# Altium PCB ROBOT1.PcbDoc (part 2 of 7) (continued)
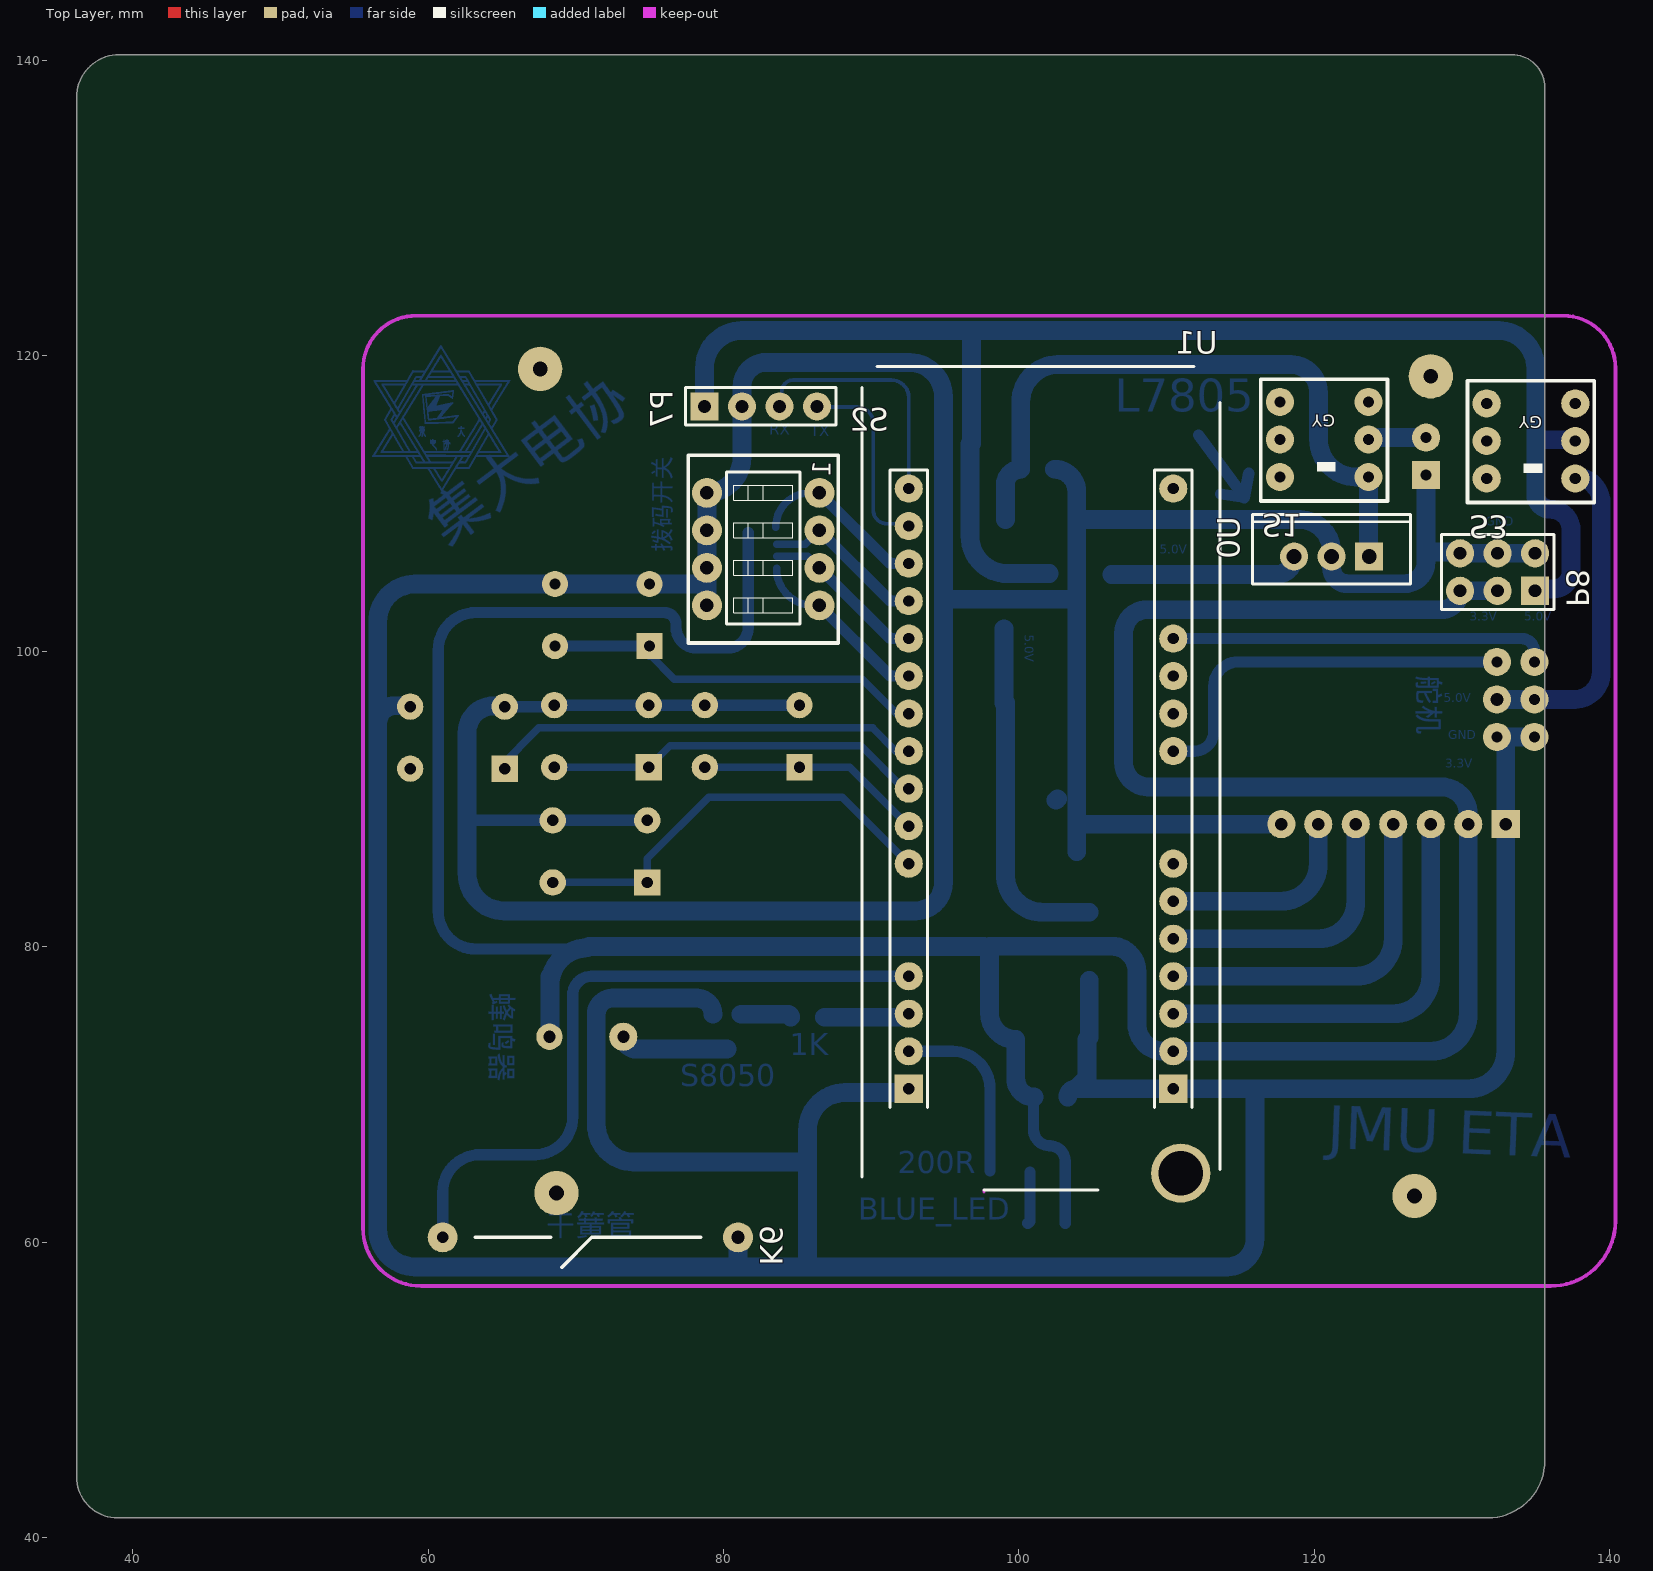
[diagram p0: Top Layer view]
## Nets (pads, with @x,y where several pads share a name; then routed paths per layer and width w, separated by ;. In a path a pad name is that pad's centre, name@x,y a point inside that pad or via, vN(x,y) a via of type N, cw(c..) or ccw(c..) an arc to the next point about the centre after c; other vN are vias at no path point) (continued)
; 57.342,116.214 57.422,116.214 ; 57.342,116.224 57.422,116.224 ; 57.342,116.663 57.432,116.663 ; 57.342,117.302 57.432,117.302 ; 57.352,114.387 57.442,114.387 ; 57.352,114.397 57.442,114.397 ; 57.352,115.016 57.502,115.016 ; 57.352,115.026 57.502,115.026 ; 57.352,115.036 57.492,115.036 ; 57.352,115.145 57.432,115.145 ; 57.352,115.155 57.422,115.155 ; 57.352,116.233 57.432,116.233 ; 57.352,116.243 57.432,116.243 ; 57.352,116.643 57.442,116.643 ; 57.352,116.653 57.442,116.653 ; 57.352,117.282 57.442,117.282 ; 57.352,117.292 57.442,117.292 ; 57.362,114.407 57.452,114.407 ; 57.362,114.417 57.462,114.417 ; 57.362,115.046 57.492,115.046 ; 57.362,115.125 57.442,115.125 ; 57.362,115.135 57.432,115.135 ; 57.362,116.253 57.442,116.253 ; 57.362,116.623 57.462,116.623 ; 57.362,116.633 57.452,116.633 ; 57.362,117.262 57.452,117.262 ; 57.362,117.272 57.452,117.272 ; 57.372,114.427 57.462,114.427 ; 57.372,115.056 57.482,115.056 ; 57.372,115.066 57.482,115.066 ; 57.372,115.115 57.452,115.115 ; 57.372,116.263 57.442,116.263 ; 57.372,116.273 57.452,116.273 ; 57.372,116.603 57.472,116.603 ; 57.372,116.613 57.462,116.613 ; 57.372,117.252 57.462,117.252 ; 57.382,114.437 57.472,114.437 ; 57.382,114.447 57.472,114.447 ; 57.382,115.076 57.472,115.076 ; 57.382,115.086 57.472,115.086 ; 57.382,115.096 57.462,115.096 ; 57.382,115.105 57.452,115.105 ; 57.382,116.283 57.452,116.283 ; 57.382,116.293 57.462,116.293 ; 57.382,116.593 57.472,116.593 ; 57.382,117.242 57.472,117.242 ; 57.392,114.457 57.482,114.457 ; 57.392,114.467 57.492,114.467 ; 57.392,116.303 57.472,116.303 ; 57.392,116.313 57.472,116.313 ; 57.392,116.583 57.482,116.583 ; 57.392,117.222 57.482,117.222 ; 57.392,117.232 57.472,117.232 ; 57.402,114.477 57.492,114.477 ; 57.402,116.323 57.482,116.323 ; 57.402,116.563 57.492,116.563 ; 57.402,116.573 57.492,116.573 ; 57.402,117.202 57.492,117.202 ; 57.402,117.212 57.482,117.212 ; 57.412,114.487 57.502,114.487 ; 57.412,114.497 57.502,114.497 ; 57.412,116.333 57.482,116.333 ; 57.412,116.343 57.492,116.343 ; 57.412,116.543 57.512,116.543 ; 57.412,116.553 57.502,116.553 ; 57.412,117.192 57.502,117.192 ; 57.422,114.507 57.512,114.507 ; 57.422,116.353 57.502,116.353 ; 57.422,116.363 57.502,116.363 ; 57.422,116.533 57.512,116.533 ; 57.422,117.172 57.512,117.172 ; 57.422,117.182 57.502,117.182 ; 57.432,114.517 57.522,114.517 ; 57.432,114.527 57.522,114.527 ; 57.432,116.373 57.611,116.373 ; 57.432,116.513 57.522,116.513 ; 57.432,116.523 57.522,116.523 ; 57.432,117.152 57.522,117.152 ; 57.432,117.162 57.522,117.162 ; 57.442,114.537 57.532,114.537 ; 57.442,114.996 57.522,114.996 ; 57.442,116.383 57.601,116.383 ; 57.442,116.393 57.601,116.393 ; 57.442,116.493 57.542,116.493 ; 57.442,116.503 57.532,116.503 ; 57.442,117.142 57.532,117.142 ; 57.452,114.546 57.542,114.546 ; 57.452,114.556 57.542,114.556 ; 57.452,114.976 57.532,114.976 ; 57.452,114.986 57.522,114.986 ; 57.452,116.403 57.592,116.403 ; 57.452,116.413 57.592,116.413 ; 57.452,116.483 57.542,116.483 ; 57.452,117.122 57.542,117.122 ; 57.452,117.132 57.532,117.132 ; 57.462,114.566 57.552,114.566 ; 57.462,114.966 57.542,114.966 ; 57.462,116.423 57.582,116.423 ; 57.462,116.433 57.572,116.433 ; 57.462,116.473 57.552,116.473 ; 57.462,117.102 57.552,117.102 ; 57.462,117.112 57.542,117.112 ; 57.472,114.576 57.552,114.576 ; 57.472,114.586 57.562,114.586 ; 57.472,114.936 57.552,114.936 ; 57.472,114.946 57.552,114.946 ; 57.472,114.956 57.542,114.956 ; 57.472,116.443 57.572,116.443 ; 57.472,116.453 57.562,116.453 ; 57.472,116.463 57.552,116.463 ; 57.472,117.092 57.562,117.092 ; 57.482,114.596 57.562,114.596 ; 57.482,114.606 57.572,114.606 ; 57.482,114.926 57.562,114.926 ; 57.482,115.684 57.562,115.684 ; 57.482,115.694 57.562,115.694 ; 57.482,115.704 57.562,115.704 ; 57.482,117.072 57.572,117.072 ; 57.482,117.082 57.562,117.082 ; 57.492,114.616 57.582,114.616 ; 57.492,114.626 57.582,114.626 ; 57.492,114.906 57.572,114.906 ; 57.492,114.916 57.562,114.916 ; 57.492,115.674 57.572,115.674 ; 57.492,115.714 57.572,115.714 ; 57.492,117.062 57.582,117.062 ; 57.502,114.636 57.592,114.636 ; 57.502,114.886 57.582,114.886 ; 57.502,114.896 57.582,114.896 ; 57.502,115.655 57.582,115.655 ; 57.502,115.665 57.582,115.665 ; 57.502,115.724 57.582,115.724 ; 57.502,115.734 57.582,115.734 ; 57.502,117.042 57.592,117.042 ; 57.502,117.052 57.582,117.052 ; 57.512,114.646 57.601,114.646 ; 57.512,114.656 57.601,114.656 ; 57.512,114.866 57.592,114.866 ; 57.512,114.876 57.592,114.876 ; 57.512,115.635 57.601,115.635 ; 57.512,115.645 57.592,115.645 ; 57.512,115.744 57.592,115.744 ; 57.512,115.754 57.592,115.754 ; 57.512,117.022 57.601,117.022 ; 57.512,117.032 57.601,117.032 ; 57.522,114.666 57.601,114.666 ; 57.522,114.676 57.701,114.676 ; 57.522,114.856 57.601,114.856 ; 57.522,115.615 57.611,115.615 ; 57.522,115.625 57.601,115.625 ; 57.522,115.764 57.601,115.764 ; 57.522,117.002 57.611,117.002 ; 57.522,117.012 57.601,117.012 ; 57.532,114.686 57.701,114.686 ; 57.532,114.836 57.611,114.836 ; 57.532,114.846 57.601,114.846 ; 57.532,115.605 57.611,115.605 ; 57.532,115.774 57.611,115.774 ; 57.532,115.784 57.611,115.784 ; 57.532,116.363 57.621,116.363 ; 57.532,116.992 57.621,116.992 ; 57.542,114.696 57.691,114.696 ; 57.542,114.706 57.691,114.706 ; 57.542,114.816 57.621,114.816 ; 57.542,114.826 57.621,114.826 ; 57.542,115.585 57.621,115.585 ; 57.542,115.595 57.621,115.595 ; 57.542,115.794 57.621,115.794 ; 57.542,116.343 57.631,116.343 ; 57.542,116.353 57.621,116.353 ; 57.542,116.982 57.621,116.982 ; 57.552,114.716 57.681,114.716 ; 57.552,114.726 57.671,114.726 ; 57.552,114.806 57.631,114.806 ; 57.552,115.565 57.631,115.565 ; 57.552,115.575 57.631,115.575 ; 57.552,115.804 57.621,115.804 ; 57.552,115.814 57.631,115.814 ; 57.552,115.824 57.641,115.824 ; 57.552,116.323 57.641,116.323 ; 57.552,116.333 57.631,116.333 ; 57.552,116.952 57.641,116.952 ; 57.552,116.962 57.641,116.962 ; 57.552,116.972 57.631,116.972 ; 57.562,114.736 57.671,114.736 ; 57.562,114.786 57.641,114.786 ; 57.562,114.796 57.631,114.796 ; 57.562,115.555 57.641,115.555 ; 57.562,115.834 57.641,115.834 ; 57.562,116.303 57.651,116.303 ; 57.562,116.313 57.641,116.313 ; 57.562,116.942 57.651,116.942 ; 57.572,114.746 57.661,114.746 ; 57.572,114.756 57.661,114.756 ; 57.572,114.766 57.651,114.766 ; 57.572,114.776 57.641,114.776 ; 57.572,115.535 57.751,115.535 ; 57.572,115.545 57.641,115.545 ; 57.572,115.844 57.651,115.844 ; 57.572,115.854 57.661,115.854 ; 57.572,116.293 57.661,116.293 ; 57.572,116.932 57.661,116.932 ; 57.582,115.515 57.741,115.515 ; 57.582,115.525 57.751,115.525 ; 57.582,115.864 57.661,115.864 ; 57.582,116.283 57.671,116.283 ; 57.582,116.912 57.671,116.912 ; 57.582,116.922 57.661,116.922 ; 57.592,115.505 57.731,115.505 ; 57.592,115.874 57.671,115.874 ; 57.592,115.884 57.671,115.884 ; 57.592,116.263 57.681,116.263 ; 57.592,116.273 57.671,116.273 ; 57.592,116.892 57.681,116.892 ; 57.592,116.902 57.681,116.902 ; 57.601,113.548 57.661,113.548 ; 57.601,115.485 57.711,115.485 ; 57.601,115.495 57.721,115.495 ; 57.601,115.894 57.681,115.894 ; 57.601,115.904 57.681,115.904 ; 57.601,116.243 57.691,116.243 ; 57.601,116.253 57.681,116.253 ; 57.601,116.882 57.691,116.882 ; 57.611,115.475 57.711,115.475 ; 57.611,115.914 57.691,115.914 ; 57.611,115.924 57.691,115.924 ; 57.611,116.233 57.701,116.233 ; 57.611,116.862 57.791,116.862 ; 57.611,116.872 57.691,116.872 ; 57.621,115.455 57.701,115.455 ; 57.621,115.465 57.701,115.465 ; 57.621,115.934 57.701,115.934 ; 57.621,116.214 57.711,116.214 ; 57.621,116.224 57.701,116.224 ; 57.621,116.842 57.781,116.842 ; 57.621,116.852 57.781,116.852 ; 57.631,114.666 57.711,114.666 ; 57.631,115.435 57.711,115.435 ; 57.631,115.445 57.701,115.445 ; 57.631,115.944 57.711,115.944 ; 57.631,115.954 57.711,115.954 ; 57.631,116.194 57.721,116.194 ; 57.631,116.204 57.711,116.204 ; 57.631,116.832 57.771,116.832 ; 57.641,114.646 57.721,114.646 ; 57.641,114.656 57.711,114.656 ; 57.641,115.415 57.721,115.415 ; 57.641,115.425 57.721,115.425 ; 57.641,115.964 57.721,115.964 ; 57.641,115.974 57.721,115.974 ; 57.641,116.174 57.731,116.174 ; 57.641,116.184 57.721,116.184 ; 57.641,116.812 57.761,116.812 ; 57.641,116.822 57.761,116.822 ; 57.651,114.626 57.731,114.626 ; 57.651,114.636 57.721,114.636 ; 57.651,115.405 57.731,115.405 ; 57.651,115.984 57.731,115.984 ; 57.651,116.164 57.741,116.164 ; 57.651,116.802 57.751,116.802 ; 57.661,114.606 57.741,114.606 ; 57.661,114.616 57.741,114.616 ; 57.661,115.385 57.741,115.385 ; 57.661,115.395 57.731,115.395 ; 57.661,115.994 57.731,115.994 ; 57.661,116.004 57.841,116.004 ; 57.661,116.014 57.841,116.014 ; 57.661,116.154 57.751,116.154 ; 57.661,116.783 57.751,116.783 ; 57.661,116.792 57.751,116.792 ; 57.671,113.548 57.751,113.548 ; 57.671,114.596 57.751,114.596 ; 57.671,115.375 57.741,115.375 ; 57.671,115.545 57.761,115.545 ; 57.671,116.024 57.831,116.024 ; 57.671,116.134 57.761,116.134 ; 57.671,116.144 57.751,116.144 ; 57.671,116.763 57.761,116.763 ; 57.671,116.773 57.761,116.773 ; 57.681,114.576 57.761,114.576 ; 57.681,114.586 57.751,114.586 ; 57.681,115.345 57.761,115.345 ; 57.681,115.355 57.761,115.355 ; 57.681,115.365 57.751,115.365 ; 57.681,115.555 57.761,115.555 ; 57.681,115.565 57.771,115.565 ; 57.681,116.034 57.821,116.034 ; 57.681,116.044 57.821,116.044 ; 57.681,116.114 57.771,116.114 ; 57.681,116.124 57.761,116.124 ; 57.681,116.743 57.771,116.743 ; 57.681,116.753 57.771,116.753 ; 57.691,114.556 57.771,114.556 ; 57.691,114.566 57.761,114.566 ; 57.691,115.335 57.771,115.335 ; 57.691,115.575 57.781,115.575 ; 57.691,116.054 57.811,116.054 ; 57.691,116.094 57.781,116.094 ; 57.691,116.104 57.781,116.104 ; 57.691,116.733 57.781,116.733 ; 57.701,114.546 57.781,114.546 ; 57.701,115.315 57.781,115.315 ; 57.701,115.325 57.771,115.325 ; 57.701,115.585 57.781,115.585 ; 57.701,115.595 57.791,115.595 ; 57.701,116.064 57.801,116.064 ; 57.701,116.074 57.791,116.074 ; 57.701,116.084 57.791,116.084 ; 57.701,116.713 57.791,116.713 ; 57.701,116.723 57.781,116.723 ; 57.711,114.527 57.791,114.527 ; 57.711,114.537 57.781,114.537 ; 57.711,115.305 57.791,115.305 ; 57.711,115.605 57.801,115.605 ; 57.711,115.615 57.801,115.615 ; 57.711,116.703 57.801,116.703 ; 57.721,114.507 57.801,114.507 ; 57.721,114.517 57.791,114.517 ; 57.721,115.275 57.801,115.275 ; 57.721,115.285 57.801,115.285 ; 57.721,115.295 57.791,115.295 ; 57.721,115.625 57.811,115.625 ; 57.721,116.683 57.811,116.683 ; 57.721,116.693 57.801,116.693 ; 57.721,116.872 57.791,116.872 ; 57.721,116.882 57.801,116.882 ; 57.731,114.497 57.801,114.497 ; 57.731,115.265 57.811,115.265 ; 57.731,115.635 57.811,115.635 ; 57.731,116.673 57.821,116.673 ; 57.731,116.892 57.801,116.892 ; 57.741,114.477 57.821,114.477 ; 57.741,114.487 57.811,114.487 ; 57.741,115.245 57.821,115.245 ; 57.741,115.255 57.821,115.255 ; 57.741,115.645 57.821,115.645 ; 57.741,115.655 57.821,115.655 ; 57.741,115.665 57.831,115.665 ; 57.741,116.653 57.831,116.653 ; 57.741,116.663 57.821,116.663 ; 57.741,116.902 57.811,116.902 ; 57.741,116.912 57.821,116.912 ; 57.741,116.922 57.821,116.922 ; 57.751,114.457 57.831,114.457 ; 57.751,114.467 57.821,114.467 ; 57.751,115.235 57.821,115.235 ; 57.751,115.674 57.841,115.674 ; 57.751,115.684 57.841,115.684 ; 57.751,116.633 57.841,116.633 ; 57.751,116.643 57.841,116.643 ; 57.751,116.932 57.831,116.932 ; 57.761,113.548 58.151,113.548 ; 57.761,114.447 57.841,114.447 ; 57.761,115.215 57.841,115.215 ; 57.761,115.225 57.831,115.225 ; 57.761,115.694 57.851,115.694 ; 57.761,115.984 57.851,115.984 ; 57.761,115.994 57.841,115.994 ; 57.761,116.613 57.851,116.613 ; 57.761,116.623 57.841,116.623 ; 57.761,116.942 57.841,116.942 ; 57.761,116.952 57.841,116.952 ; 57.771,114.427 57.851,114.427 ; 57.771,114.437 57.841,114.437 ; 57.771,115.195 57.931,115.195 ; 57.771,115.205 57.941,115.205 ; 57.771,115.704 57.851,115.704 ; 57.771,115.714 57.861,115.714 ; 57.771,115.974 57.861,115.974 ; 57.771,116.603 57.861,116.603 ; 57.771,116.962 57.851,116.962 ; 57.781,114.397 57.861,114.397 ; 57.781,114.407 57.861,114.407 ; 57.781,114.417 57.851,114.417 ; 57.781,115.175 57.921,115.175 ; 57.781,115.185 57.921,115.185 ; 57.781,115.724 57.861,115.724 ; 57.781,115.954 57.871,115.954 ; 57.781,115.964 57.861,115.964 ; 57.781,116.593 57.861,116.593 ; 57.781,116.972 57.851,116.972 ; 57.781,116.982 57.861,116.982 ; 57.791,114.387 57.871,114.387 ; 57.791,115.155 57.911,115.155 ; 57.791,115.165 57.911,115.165 ; 57.791,115.734 57.871,115.734 ; 57.791,115.744 57.881,115.744 ; 57.791,115.944 57.871,115.944 ; 57.791,116.573 57.881,116.573 ; 57.791,116.583 57.871,116.583 ; 57.791,116.992 57.861,116.992 ; 57.791,117.002 57.871,117.002 ; 57.801,114.367 57.881,114.367 ; 57.801,114.377 57.881,114.377 ; 57.801,115.145 57.901,115.145 ; 57.801,115.754 57.891,115.754 ; 57.801,115.924 57.991,115.924 ; 57.801,115.934 57.881,115.934 ; 57.801,116.553 57.891,116.553 ; 57.801,116.563 57.881,116.563 ; 57.801,117.012 57.881,117.012 ; 57.801,117.022 57.881,117.022 ; 57.811,114.357 57.891,114.357 ; 57.811,115.125 57.901,115.125 ; 57.811,115.135 57.901,115.135 ; 57.811,115.764 57.891,115.764 ; 57.811,115.774 57.901,115.774 ; 57.811,115.904 57.981,115.904 ; 57.811,115.914 57.981,115.914 ; 57.811,116.543 57.901,116.543 ; 57.811,117.032 57.891,117.032 ; 57.811,117.042 57.891,117.042 ; 57.821,114.327 57.901,114.327 ; 57.821,114.337 57.901,114.337 ; 57.821,114.347 57.891,114.347 ; 57.821,115.105 57.901,115.105 ; 57.821,115.115 57.901,115.115 ; 57.821,115.784 57.901,115.784 ; 57.821,115.884 57.971,115.884 ; 57.821,115.894 57.971,115.894 ; 57.821,116.523 57.901,116.523 ; 57.821,116.533 57.901,116.533 ; 57.821,117.052 57.901,117.052 ; 57.821,117.062 57.911,117.062 ; 57.831,114.317 57.911,114.317 ; 57.831,115.086 57.911,115.086 ; 57.831,115.096 57.911,115.096 ; 57.831,115.794 57.911,115.794 ; 57.831,115.804 57.921,115.804 ; 57.831,115.874 57.961,115.874 ; 57.831,116.503 57.921,116.503 ; 57.831,116.513 57.911,116.513 ; 57.831,117.072 57.911,117.072 ; 57.841,114.297 57.921,114.297 ; 57.841,114.307 57.911,114.307 ; 57.841,115.076 57.921,115.076 ; 57.841,115.814 57.921,115.814 ; 57.841,115.824 57.931,115.824 ; 57.841,115.854 57.951,115.854 ; 57.841,115.864 57.961,115.864 ; 57.841,116.493 57.921,116.493 ; 57.841,117.082 57.921,117.082 ; 57.841,117.092 57.921,117.092 ; 57.851,114.287 57.931,114.287 ; 57.851,115.056 57.931,115.056 ; 57.851,115.066 57.921,115.066 ; 57.851,115.834 57.941,115.834 ; 57.851,115.844 57.941,115.844 ; 57.851,116.473 58.011,116.473 ; 57.851,116.483 58.011,116.483 ; 57.851,117.102 57.931,117.102 ; 57.861,114.267 57.941,114.267 ; 57.861,114.277 57.931,114.277 ; 57.861,115.036 57.941,115.036 ; 57.861,115.046 57.931,115.046 ; 57.861,115.215 57.941,115.215 ; 57.861,116.453 58.001,116.453 ; 57.861,116.463 58.001,116.463 ; 57.861,117.112 57.941,117.112 ; 57.861,117.122 57.941,117.122 ; 57.871,114.247 57.951,114.247 ; 57.871,114.257 57.941,114.257 ; 57.871,115.026 57.951,115.026 ; 57.871,115.225 57.951,115.225 ; 57.871,115.235 57.951,115.235 ; 57.871,116.443 57.991,116.443 ; 57.871,117.132 57.951,117.132 ; 57.871,117.142 57.951,117.142 ; 57.881,114.227 57.961,114.227 ; 57.881,114.237 57.961,114.237 ; 57.881,115.006 57.961,115.006 ; 57.881,115.016 57.951,115.016 ; 57.881,115.245 57.961,115.245 ; 57.881,115.255 57.971,115.255 ; 57.881,116.423 57.981,116.423 ; 57.881,116.433 57.981,116.433 ; 57.881,117.152 57.961,117.152 ; 57.891,114.217 57.971,114.217 ; 57.891,114.986 57.971,114.986 ; 57.891,114.996 57.961,114.996 ; 57.891,115.265 57.981,115.265 ; 57.891,116.413 57.981,116.413 ; 57.891,117.162 57.961,117.162 ; 57.901,114.197 57.981,114.197 ; 57.901,114.207 57.981,114.207 ; 57.901,114.966 57.981,114.966 ; 57.901,114.976 57.981,114.976 ; 57.901,115.275 57.991,115.275 ; 57.901,115.285 57.991,115.285 ; 57.901,116.393 57.991,116.393 ; 57.901,116.403 57.981,116.403 ; 57.901,117.172 57.971,117.172 ; 57.901,117.182 57.981,117.182 ; 57.901,117.192 57.981,117.192 ; 57.911,114.187 57.991,114.187 ; 57.911,114.946 57.991,114.946 ; 57.911,114.956 57.991,114.956 ; 57.911,115.295 58.001,115.295 ; 57.911,115.934 57.991,115.934 ; 57.911,116.373 58.001,116.373 ; 57.911,116.383 57.991,116.383 ; 57.911,117.202 57.991,117.202 ; 57.911,117.212 57.991,117.212 ; 57.921,114.167 58.001,114.167 ; 57.921,114.177 57.991,114.177 ; 57.921,114.926 58.001,114.926 ; 57.921,114.936 58.001,114.936 ; 57.921,115.305 58.001,115.305 ; 57.921,115.315 58.011,115.315 ; 57.921,115.944 58.001,115.944 ; 57.921,115.954 58.011,115.954 ; 57.921,116.363 58.001,116.363 ; 57.921,117.222 58.001,117.222 ; 57.921,117.232 58.001,117.232 ; 57.931,114.147 58.011,114.147 ; 57.931,114.157 58.001,114.157 ; 57.931,114.916 58.011,114.916 ; 57.931,115.325 58.011,115.325 ; 57.931,115.335 58.021,115.335 ; 57.931,115.964 58.021,115.964 ; 57.931,116.343 58.021,116.343 ; 57.931,116.353 58.011,116.353 ; 57.931,117.242 58.011,117.242 ; 57.941,114.127 58.021,114.127 ; 57.941,114.137 58.011,114.137 ; 57.941,114.896 58.021,114.896 ; 57.941,114.906 58.021,114.906 ; 57.941,115.345 58.031,115.345 ; 57.941,115.355 58.041,115.355 ; 57.941,115.974 58.021,115.974 ; 57.941,115.984 58.031,115.984 ; 57.941,116.333 58.021,116.333 ; 57.941,116.493 58.021,116.493 ; 57.941,117.252 58.011,117.252 ; 57.941,117.262 58.021,117.262 ; 57.951,114.117 58.031,114.117 ; 57.951,114.886 58.031,114.886 ; 57.951,115.365 58.041,115.365 ; 57.951,115.994 58.031,115.994 ; 57.951,116.004 58.041,116.004 ; 57.951,116.313 58.031,116.313 ; 57.951,116.323 58.031,116.323 ; 57.951,116.503 58.031,116.503 ; 57.951,116.513 58.031,116.513 ; 57.951,117.272 58.031,117.272 ; 57.951,117.282 58.031,117.282 ; 57.961,114.097 58.041,114.097 ; 57.961,114.107 58.031,114.107 ; 57.961,114.866 58.041,114.866 ; 57.961,114.876 58.031,114.876 ; 57.961,115.375 58.051,115.375 ; 57.961,115.385 58.051,115.385 ; 57.961,116.014 58.041,116.014 ; 57.961,116.293 58.051,116.293 ; 57.961,116.303 58.041,116.303 ; 57.961,116.523 58.041,116.523 ; 57.961,117.292 58.041,117.292 ; 57.971,114.077 58.051,114.077 ; 57.971,114.087 58.041,114.087 ; 57.971,114.846 58.051,114.846 ; 57.971,114.856 58.041,114.856 ; 57.971,115.395 58.061,115.395 ; 57.971,116.024 58.051,116.024 ; 57.971,116.034 58.061,116.034 ; 57.971,116.283 58.061,116.283 ; 57.971,116.533 58.041,116.533 ; 57.971,117.302 58.041,117.302 ; 57.971,117.312 58.051,117.312 ; 57.981,114.057 58.061,114.057 ; 57.981,114.067 58.051,114.067 ; 57.981,114.826 58.061,114.826 ; 57.981,114.836 58.061,114.836 ; 57.981,115.405 58.061,115.405 ; 57.981,115.415 58.071,115.415 ; 57.981,116.044 58.061,116.044 ; 57.981,116.054 58.071,116.054 ; 57.981,116.263 58.071,116.263 ; 57.981,116.273 58.061,116.273 ; 57.981,116.543 58.051,116.543 ; 57.981,116.553 58.061,116.553 ; 57.981,116.563 58.061,116.563 ; 57.981,117.322 58.061,117.322 ; 57.981,117.332 58.061,117.332 ; 57.991,114.037 58.071,114.037 ; 57.991,114.047 58.071,114.047 ; 57.991,114.816 58.071,114.816 ; 57.991,115.425 58.071,115.425 ; 57.991,115.435 58.081,115.435 ; 57.991,116.064 58.081,116.064 ; 57.991,116.243 58.081,116.243 ; 57.991,116.253 58.071,116.253 ; 57.991,116.573 58.071,116.573 ; 57.991,116.583 58.071,116.583 ; 57.991,117.342 58.071,117.342 ; 58.001,114.027 58.081,114.027 ; 58.001,114.796 58.081,114.796 ; 58.001,114.806 58.071,114.806 ; 58.001,115.445 58.18,115.445 ; 58.001,116.074 58.081,116.074 ; 58.001,116.233 58.18,116.233 ; 58.001,116.593 58.081,116.593 ; 58.001,117.351 58.071,117.351 ; 58.001,117.361 58.081,117.361 ; 58.011,114.007 58.091,114.007 ; 58.011,114.017 58.081,114.017 ; 58.011,114.776 58.091,114.776 ; 58.011,114.786 58.081,114.786 ; 58.011,115.455 58.18,115.455 ; 58.011,116.084 58.091,116.084 ; 58.011,116.094 58.091,116.094 ; 58.011,116.214 58.17,116.214 ; 58.011,116.224 58.17,116.224 ; 58.011,116.603 58.091,116.603 ; 58.011,117.371 58.081,117.371 ; 58.011,117.381 58.091,117.381 ; 58.021,113.987 58.101,113.987 ; 58.021,113.997 58.091,113.997 ; 58.021,114.756 58.101,114.756 ; 58.021,114.766 58.091,114.766 ; 58.021,115.465 58.17,115.465 ; 58.021,115.475 58.16,115.475 ; 58.021,116.104 58.101,116.104 ; 58.021,116.114 58.111,116.114 ; 58.021,116.204 58.16,116.204 ; 58.021,116.613 58.091,116.613 ; 58.021,116.623 58.101,116.623 ; 58.021,116.633 58.101,116.633 ; 58.021,117.391 58.101,117.391 ; 58.031,113.968 58.111,113.968 ; 58.031,113.978 58.111,113.978 ; 58.031,114.736 58.111,114.736 ; 58.031,114.746 58.101,114.746 ; 58.031,115.485 58.16,115.485 ; 58.031,115.495 58.151,115.495 ; 58.031,116.124 58.111,116.124 ; 58.031,116.184 58.151,116.184 ; 58.031,116.194 58.16,116.194 ; 58.031,116.643 58.111,116.643 ; 58.031,116.653 58.111,116.653 ; 58.031,117.401 58.101,117.401 ; 58.031,117.411 58.111,117.411 ; 58.041,113.948 58.121,113.948 ; 58.041,113.958 58.121,113.958 ; 58.041,114.726 58.121,114.726 ; 58.041,115.505 58.151,115.505 ; 58.041,115.515 58.141,115.515 ; 58.041,116.134 58.121,116.134 ; 58.041,116.144 58.121,116.144 ; 58.041,116.154 58.131,116.154 ; 58.041,116.164 58.141,116.164 ; 58.041,116.174 58.141,116.174 ; 58.041,116.663 58.121,116.663 ; 58.041,117.421 58.111,117.421 ; 58.041,117.431 58.121,117.431 ; 58.051,113.938 58.131,113.938 ; 58.051,114.706 58.131,114.706 ; 58.051,114.716 58.121,114.716 ; 58.051,115.525 58.141,115.525 ; 58.051,115.535 58.141,115.535 ; 58.051,116.673 58.121,116.673 ; 58.051,117.441 58.131,117.441 ; 58.051,117.451 58.131,117.451 ; 58.061,113.918 58.141,113.918 ; 58.061,113.928 58.141,113.928 ; 58.061,114.686 58.141,114.686 ; 58.061,114.696 58.131,114.696 ; 58.061,115.545 58.151,115.545 ; 58.061,116.683 58.131,116.683 ; 58.061,116.693 58.141,116.693 ; 58.061,117.461 58.141,117.461 ; 58.071,113.898 58.151,113.898 ; 58.071,113.908 58.151,113.908 ; 58.071,114.666 58.151,114.666 ; 58.071,114.676 58.141,114.676 ; 58.071,115.555 58.151,115.555 ; 58.071,116.703 58.141,116.703 ; 58.071,116.713 58.151,116.713 ; 58.071,117.471 58.141,117.471 ; 58.071,117.481 58.151,117.481 ; 58.081,113.888 58.16,113.888 ; 58.081,114.656 58.16,114.656 ; 58.081,115.565 58.16,115.565 ; 58.081,116.723 58.151,116.723 ; 58.081,116.733 58.16,116.733 ; 58.081,117.491 58.151,117.491 ; 58.081,117.501 58.16,117.501 ; 58.091,113.868 58.17,113.868 ; 58.091,113.878 58.16,113.878 ; 58.091,114.636 58.18,114.636 ; 58.091,114.646 58.17,114.646 ; 58.091,115.435 58.19,115.435 ; 58.091,115.575 58.17,115.575 ; 58.091,115.585 58.17,115.585 ; 58.091,116.743 58.17,116.743 ; 58.091,116.753 58.17,116.753 ; 58.091,117.511 58.17,117.511 ; 58.091,117.521 58.17,117.521 ; 58.101,113.848 58.18,113.848 ; 58.101,113.858 58.18,113.858 ; 58.101,114.616 58.19,114.616 ; 58.101,114.626 58.19,114.626 ; 58.101,115.595 58.18,115.595 ; 58.101,115.605 58.18,115.605 ; 58.101,115.615 58.19,115.615 ; 58.101,116.243 58.19,116.243 ; 58.101,116.763 58.18,116.763 ; 58.101,116.773 58.18,116.773 ; 58.101,117.531 58.18,117.531 ; 58.101,117.541 58.19,117.541 ; 58.111,113.828 58.19,113.828 ; 58.111,113.838 58.19,113.838 ; 58.111,114.596 58.2,114.596 ; 58.111,114.606 58.19,114.606 ; 58.111,115.415 58.2,115.415 ; 58.111,115.425 58.19,115.425 ; 58.111,115.625 58.19,115.625 ; 58.111,116.253 58.19,116.253 ; 58.111,116.263 58.2,116.263 ; 58.111,116.783 58.19,116.783 ; 58.111,116.792 58.19,116.792 ; 58.111,117.551 58.19,117.551 ; 58.111,117.561 58.2,117.561 ; 58.121,113.818 58.2,113.818 ; 58.121,114.586 58.2,114.586 ; 58.121,115.405 58.2,115.405 ; 58.121,115.635 58.2,115.635 ; 58.121,116.273 58.21,116.273 ; 58.121,116.802 58.2,116.802 ; 58.121,117.571 58.2,117.571 ; 58.131,113.798 58.21,113.798 ; 58.131,113.808 58.2,113.808 ; 58.131,114.566 58.21,114.566 ; 58.131,114.576 58.21,114.576 ; 58.131,115.395 58.21,115.395 ; 58.131,115.645 58.21,115.645 ; 58.131,115.655 58.22,115.655 ; 58.131,116.283 58.21,116.283 ; 58.131,116.812 58.21,116.812 ; 58.131,116.822 58.21,116.822 ; 58.131,117.581 58.21,117.581 ; 58.131,117.591 58.21,117.591 ; 58.141,113.788 58.22,113.788 ; 58.141,114.546 58.22,114.546 ; 58.141,114.556 58.22,114.556 ; 58.141,115.375 58.23,115.375 ; 58.141,115.385 58.22,115.385 ; 58.141,115.665 58.22,115.665 ; 58.141,115.674 58.23,115.674 ; 58.141,115.684 58.23,115.684 ; 58.141,116.293 58.22,116.293 ; 58.141,116.303 58.23,116.303 ; 58.141,116.832 58.22,116.832 ; 58.141,116.842 58.22,116.842 ; 58.141,117.601 58.22,117.601 ; 58.141,117.611 58.23,117.611 ; 58.151,113.768 58.23,113.768 ; 58.151,113.778 58.22,113.778 ; 58.151,114.527 58.23,114.527 ; 58.151,114.537 58.23,114.537 ; 58.151,115.355 58.24,115.355 ; 58.151,115.365 58.23,115.365 ; 58.151,115.694 58.24,115.694 ; 58.151,116.313 58.24,116.313 ; 58.151,116.323 58.24,116.323 ; 58.151,116.852 58.23,116.852 ; 58.151,117.621 58.23,117.621 ; 58.151,117.631 58.24,117.631 ; 58.16,113.548 58.24,113.548 ; 58.16,113.748 58.24,113.748 ; 58.16,113.758 58.23,113.758 ; 58.16,114.517 58.24,114.517 ; 58.16,115.345 58.24,115.345 ; 58.16,115.704 58.25,115.704 ; 58.16,116.333 58.24,116.333 ; 58.16,116.343 58.25,116.343 ; 58.16,116.862 58.23,116.862 ; 58.16,116.872 58.24,116.872 ; 58.16,117.641 58.25,117.641 ; 58.17,113.728 58.25,113.728 ; 58.17,113.738 58.25,113.738 ; 58.17,114.497 58.25,114.497 ; 58.17,114.507 58.25,114.507 ; 58.17,115.335 58.25,115.335 ; 58.17,115.714 58.25,115.714 ; 58.17,116.353 58.25,116.353 ; 58.17,116.882 58.25,116.882 ; 58.17,117.651 58.25,117.651 ; 58.17,117.661 58.26,117.661 ; 58.18,113.708 58.26,113.708 ; 58.18,113.718 58.25,113.718 ; 58.18,114.477 58.26,114.477 ; 58.18,114.487 58.26,114.487 ; 58.18,115.315 58.26,115.315 ; 58.18,115.325 58.25,115.325 ; 58.18,115.724 58.26,115.724 ; 58.18,115.734 58.26,115.734 ; 58.18,116.363 58.26,116.363 ; 58.18,116.373 58.27,116.373 ; 58.18,116.892 58.25,116.892 ; 58.18,116.902 58.26,116.902 ; 58.18,117.671 58.26,117.671 ; 58.18,117.681 58.27,117.681 ; 58.19,113.698 58.27,113.698 ; 58.19,114.457 58.27,114.457 ; 58.19,114.467 58.27,114.467 ; 58.19,115.295 58.27,115.295 ; 58.19,115.305 58.27,115.305 ; 58.19,115.744 58.27,115.744 ; 58.19,115.754 58.38,115.754 ; 58.19,116.383 58.27,116.383 ; 58.19,116.393 58.28,116.393 ; 58.19,116.912 58.26,116.912 ; 58.19,116.922 58.27,116.922 ; 58.19,117.691 58.27,117.691 ; 58.19,117.701 58.28,117.701 ; 58.2,113.678 58.28,113.678 ; 58.2,113.688 58.28,113.688 ; 58.2,114.447 58.28,114.447 ; 58.2,115.275 58.29,115.275 ; 58.2,115.285 58.28,115.285 ; 58.2,115.764 58.38,115.764 ; 58.2,116.403 58.29,116.403 ; 58.2,116.932 58.27,116.932 ; 58.2,116.942 58.28,116.942 ; 58.2,117.711 58.28,117.711 ; 58.21,113.658 58.29,113.658 ; 58.21,113.668 58.29,113.668 ; 58.21,114.427 58.29,114.427 ; 58.21,114.437 58.29,114.437 ; 58.21,115.265 58.29,115.265 ; 58.21,115.774 58.37,115.774 ; 58.21,115.784 58.36,115.784 ; 58.21,116.413 58.29,116.413 ; 58.21,116.952 58.29,116.952 ; 58.21,116.962 58.29,116.962 ; 58.21,117.721 58.29,117.721 ; 58.21,117.731 58.3,117.731 ; 58.22,113.638 58.3,113.638 ; 58.22,113.648 58.3,113.648 ; 58.22,114.417 58.3,114.417 ; 58.22,115.245 58.3,115.245 ; 58.22,115.255 58.3,115.255 ; 58.22,115.794 58.36,115.794 ; 58.22,115.804 58.35,115.804 ; 58.22,116.423 58.3,116.423 ; 58.22,116.433 58.3,116.433 ; 58.22,116.972 58.3,116.972 ; 58.22,117.741 58.3,117.741 ; 58.22,117.751 58.31,117.751 ; 58.23,113.628 58.31,113.628 ; 58.23,114.397 58.31,114.397 ; 58.23,114.407 58.3,114.407 ; 58.23,115.235 58.31,115.235 ; 58.23,115.814 58.34,115.814 ; 58.23,116.443 58.31,116.443 ; 58.23,116.453 58.32,116.453 ; 58.23,116.982 58.3,116.982 ; 58.23,116.992 58.31,116.992 ; 58.23,117.761 58.31,117.761 ; 58.24,113.608 58.33,113.608 ; 58.24,113.618 58.32,113.618 ; 58.24,114.377 58.32,114.377 ; 58.24,114.387 58.32,114.387 ; 58.24,115.215 58.32,115.215 ; 58.24,115.225 58.32,115.225 ; 58.24,115.824 58.34,115.824 ; 58.24,115.834 58.34,115.834 ; 58.24,116.463 58.32,116.463 ; 58.24,117.002 58.31,117.002 ; 58.24,117.012 58.32,117.012 ; 58.24,117.771 58.32,117.771 ; 58.24,117.781 58.33,117.781 ; 58.25,113.588 58.33,113.588 ; 58.25,113.598 58.33,113.598 ; 58.25,114.367 58.33,114.367 ; 58.25,115.195 58.34,115.195 ; 58.25,115.205 58.33,115.205 ; 58.25,115.844 58.34,115.844 ; 58.25,115.854 58.34,115.854 ; 58.25,116.473 58.33,116.473 ; 58.25,116.483 58.34,116.483 ; 58.25,117.022 58.33,117.022 ; 58.25,117.032 58.33,117.032 ; 58.25,117.791 58.33,117.791 ; 58.25,117.801 58.34,117.801 ; 58.26,113.548 58.36,113.548